# Altium PCB fMAX_MB.PcbDoc (part 1 of 13) (continued)
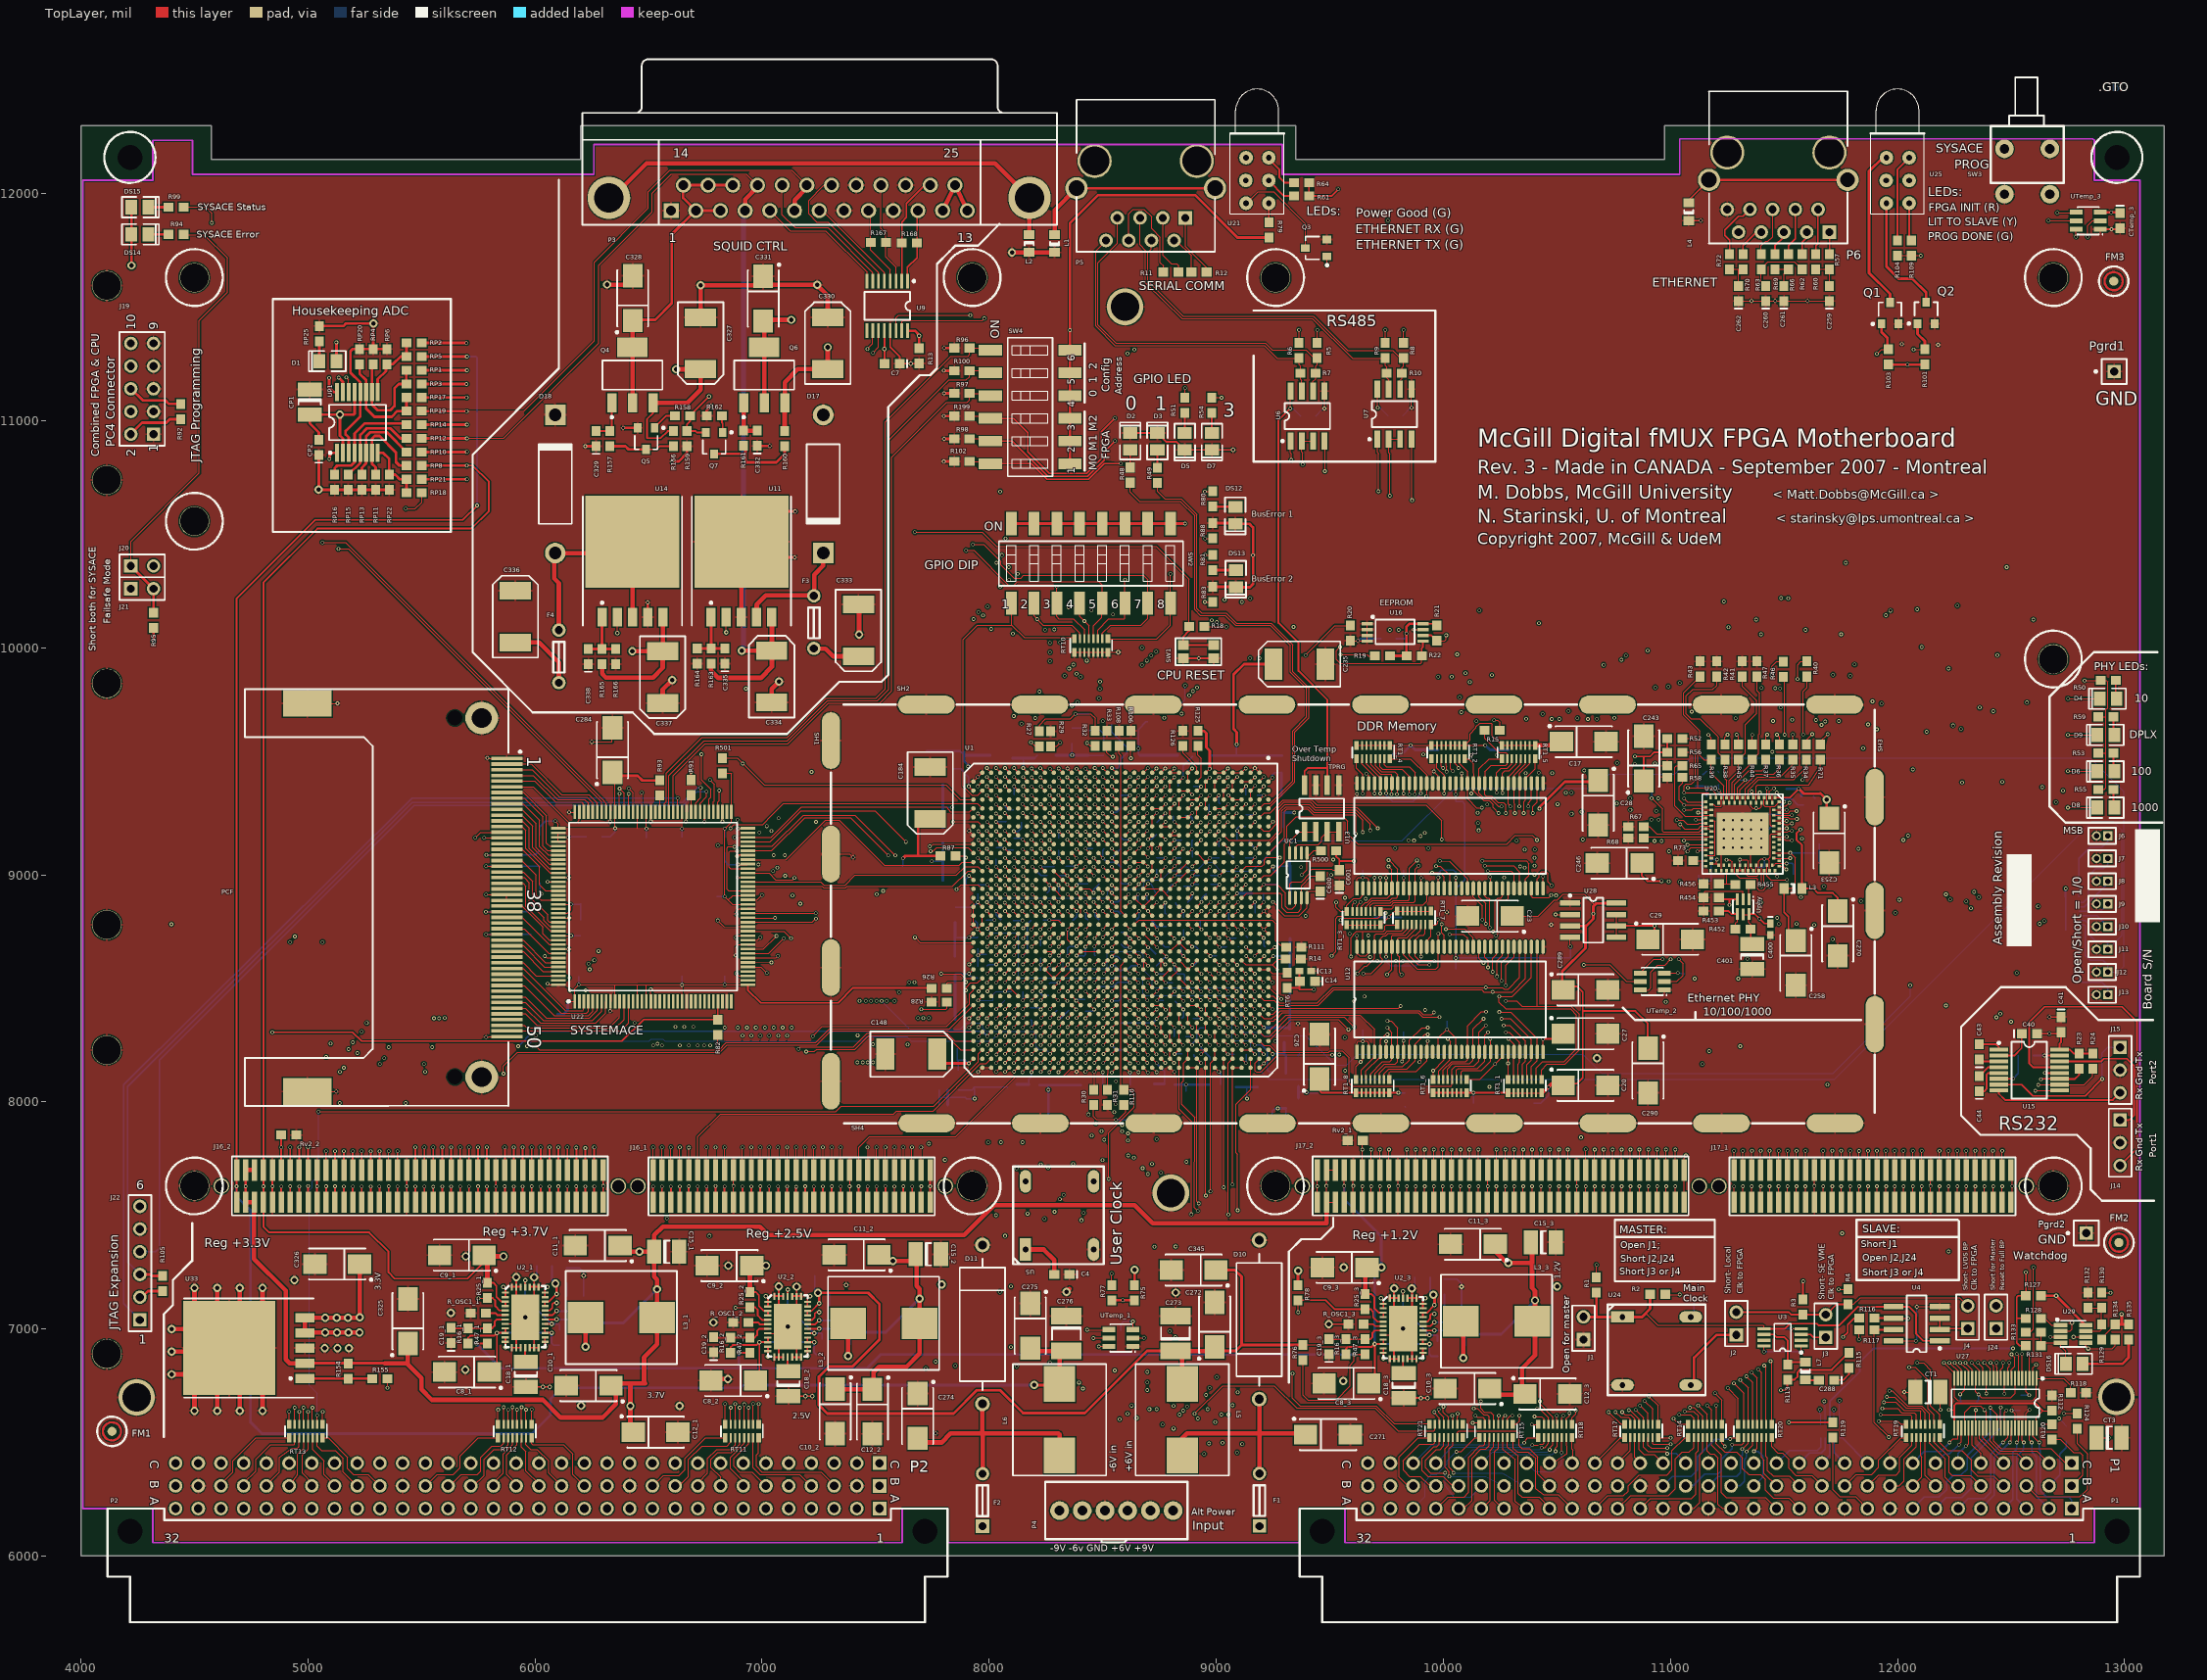
[diagram p0: TopLayer view]
## Classes and differential pairs
component class UserCLK: C4 U5
channel class TermperatureSens: TemperatureSens1 TemperatureSens2 TemperatureSens3
net class CS[1..3]: CS1 CS2 CS3
component class TemperatureSens3: CTemp_3 UTemp_3
component class TemperatureSens2: CTemp_2 UTemp_2
component class TemperatureSens1: CTemp_1 UTemp_1
net class BP_MASTER[0..5]: BP_MASTER0 BP_MASTER1 BP_MASTER2 BP_MASTER3 BP_MASTER4 BP_MASTER5
net class SYSACE_USB_D[0..15]: SYSACE_USB_D0 SYSACE_USB_D1 SYSACE_USB_D2 SYSACE_USB_D3 SYSACE_USB_D4 SYSACE_USB_D5 SYSACE_USB_D6 SYSACE_USB_D7 SYSACE_USB_D8 SYSACE_USB_D9 SYSACE_USB_D10 SYSACE_USB_D11 SYSACE_USB_D12 SYSACE_USB_D13 SYSACE_USB_D14 SYSACE_USB_D15
net class SYSACE_MPA[0..6]: SYSACE_MPA0 SYSACE_MPA1 SYSACE_MPA2 SYSACE_MPA3 SYSACE_MPA4 SYSACE_MPA5 SYSACE_MPA6
net class M2_DEMODB_S[0..1]: M2_DEMODB_S0 M2_DEMODB_S1
net class M2_DEMODB_DATA[0..14]: M2_DEMODB_DATA0 M2_DEMODB_DATA1 M2_DEMODB_DATA2 M2_DEMODB_DATA3 M2_DEMODB_DATA4 M2_DEMODB_DATA5 M2_DEMODB_DATA6 M2_DEMODB_DATA7 M2_DEMODB_DATA8 M2_DEMODB_DATA9 M2_DEMODB_DATA10 M2_DEMODB_DATA11 M2_DEMODB_DATA12 M2_DEMODB_DATA13 M2_DEMODB_DATA14
net class M2_DEMODA_S[0..1]: M2_DEMODA_S0 M2_DEMODA_S1
net class M2_DEMODA_DATA[0..14]: M2_DEMODA_DATA0 M2_DEMODA_DATA1 M2_DEMODA_DATA2 M2_DEMODA_DATA3 M2_DEMODA_DATA4 M2_DEMODA_DATA5 M2_DEMODA_DATA6 M2_DEMODA_DATA7 M2_DEMODA_DATA8 M2_DEMODA_DATA9 M2_DEMODA_DATA10 M2_DEMODA_DATA11 M2_DEMODA_DATA12 M2_DEMODA_DATA13 M2_DEMODA_DATA14
net class M2_COMB4_S[0..1]: M2_COMB4_S0 M2_COMB4_S1
net class M2_COMB4_DATA[0..15]: M2_COMB4_DATA0 M2_COMB4_DATA1 M2_COMB4_DATA2 M2_COMB4_DATA3 M2_COMB4_DATA4 M2_COMB4_DATA5 M2_COMB4_DATA6 M2_COMB4_DATA7 M2_COMB4_DATA8 M2_COMB4_DATA9 M2_COMB4_DATA10 M2_COMB4_DATA11 M2_COMB4_DATA12 M2_COMB4_DATA13 M2_COMB4_DATA14 M2_COMB4_DATA15
net class M2_COMB3_S[0..1]: M2_COMB3_S0 M2_COMB3_S1
net class M2_COMB3_DATA[0..15]: M2_COMB3_DATA0 M2_COMB3_DATA1 M2_COMB3_DATA2 M2_COMB3_DATA3 M2_COMB3_DATA4 M2_COMB3_DATA5 M2_COMB3_DATA6 M2_COMB3_DATA7 M2_COMB3_DATA8 M2_COMB3_DATA9 M2_COMB3_DATA10 M2_COMB3_DATA11 M2_COMB3_DATA12 M2_COMB3_DATA13 M2_COMB3_DATA14 M2_COMB3_DATA15
net class M2_COMB2_S[0..1]: M2_COMB2_S0 M2_COMB2_S1
net class M2_COMB2_DATA[0..15]: M2_COMB2_DATA0 M2_COMB2_DATA1 M2_COMB2_DATA2 M2_COMB2_DATA3 M2_COMB2_DATA4 M2_COMB2_DATA5 M2_COMB2_DATA6 M2_COMB2_DATA7 M2_COMB2_DATA8 M2_COMB2_DATA9 M2_COMB2_DATA10 M2_COMB2_DATA11 M2_COMB2_DATA12 M2_COMB2_DATA13 M2_COMB2_DATA14 M2_COMB2_DATA15
net class M2_COMB1_S[0..1]: M2_COMB1_S0 M2_COMB1_S1
net class M2_COMB1_DATA[0..15]: M2_COMB1_DATA0 M2_COMB1_DATA1 M2_COMB1_DATA2 M2_COMB1_DATA3 M2_COMB1_DATA4 M2_COMB1_DATA5 M2_COMB1_DATA6 M2_COMB1_DATA7 M2_COMB1_DATA8 M2_COMB1_DATA9 M2_COMB1_DATA10 M2_COMB1_DATA11 M2_COMB1_DATA12 M2_COMB1_DATA13 M2_COMB1_DATA14 M2_COMB1_DATA15
net class M2_CLOCK[1..2]: M2_CLOCK1 M2_CLOCK2 M2_CLOCK3
net class M2_AUX[0..4]: M2_AUX0 M2_AUX1 M2_AUX2 M2_AUX3 M2_AUX4
net class M1_DEMODB_S[0..1]: M1_DEMODB_S0 M1_DEMODB_S1
net class M1_DEMODB_DATA[0..14]: M1_DEMODB_DATA0 M1_DEMODB_DATA1 M1_DEMODB_DATA2 M1_DEMODB_DATA3 M1_DEMODB_DATA4 M1_DEMODB_DATA5 M1_DEMODB_DATA6 M1_DEMODB_DATA7 M1_DEMODB_DATA8 M1_DEMODB_DATA9 M1_DEMODB_DATA10 M1_DEMODB_DATA11 M1_DEMODB_DATA12 M1_DEMODB_DATA13 M1_DEMODB_DATA14
net class M1_DEMODA_S[0..1]: M1_DEMODA_S0 M1_DEMODA_S1
net class M1_DEMODA_DATA[0..14]: M1_DEMODA_DATA0 M1_DEMODA_DATA1 M1_DEMODA_DATA2 M1_DEMODA_DATA3 M1_DEMODA_DATA4 M1_DEMODA_DATA5 M1_DEMODA_DATA6 M1_DEMODA_DATA7 M1_DEMODA_DATA8 M1_DEMODA_DATA9 M1_DEMODA_DATA10 M1_DEMODA_DATA11 M1_DEMODA_DATA12 M1_DEMODA_DATA13 M1_DEMODA_DATA14
net class M1_COMB4_S[0..1]: M1_COMB4_S0 M1_COMB4_S1
net class M1_COMB4_DATA[0..15]: M1_COMB4_DATA0 M1_COMB4_DATA1 M1_COMB4_DATA2 M1_COMB4_DATA3 M1_COMB4_DATA4 M1_COMB4_DATA5 M1_COMB4_DATA6 M1_COMB4_DATA7 M1_COMB4_DATA8 M1_COMB4_DATA9 M1_COMB4_DATA10 M1_COMB4_DATA11 M1_COMB4_DATA12 M1_COMB4_DATA13 M1_COMB4_DATA14 M1_COMB4_DATA15
net class M1_COMB3_S[0..1]: M1_COMB3_S0 M1_COMB3_S1
net class M1_COMB3_DATA[0..15]: M1_COMB3_DATA0 M1_COMB3_DATA1 M1_COMB3_DATA2 M1_COMB3_DATA3 M1_COMB3_DATA4 M1_COMB3_DATA5 M1_COMB3_DATA6 M1_COMB3_DATA7 M1_COMB3_DATA8 M1_COMB3_DATA9 M1_COMB3_DATA10 M1_COMB3_DATA11 M1_COMB3_DATA12 M1_COMB3_DATA13 M1_COMB3_DATA14 M1_COMB3_DATA15
net class M1_COMB2_S[0..1]: M1_COMB2_S0 M1_COMB2_S1
net class M1_COMB2_DATA[0..15]: M1_COMB2_DATA0 M1_COMB2_DATA1 M1_COMB2_DATA2 M1_COMB2_DATA3 M1_COMB2_DATA4 M1_COMB2_DATA5 M1_COMB2_DATA6 M1_COMB2_DATA7 M1_COMB2_DATA8 M1_COMB2_DATA9 M1_COMB2_DATA10 M1_COMB2_DATA11 M1_COMB2_DATA12 M1_COMB2_DATA13 M1_COMB2_DATA14 M1_COMB2_DATA15
net class M1_COMB1_S[0..1]: M1_COMB1_S0 M1_COMB1_S1
net class M1_COMB1_DATA[0..15]: M1_COMB1_DATA0 M1_COMB1_DATA1 M1_COMB1_DATA2 M1_COMB1_DATA3 M1_COMB1_DATA4 M1_COMB1_DATA5 M1_COMB1_DATA6 M1_COMB1_DATA7 M1_COMB1_DATA8 M1_COMB1_DATA9 M1_COMB1_DATA10 M1_COMB1_DATA11 M1_COMB1_DATA12 M1_COMB1_DATA13 M1_COMB1_DATA14 M1_COMB1_DATA15
net class M1_CLOCK[1..2]: M1_CLOCK1 M1_CLOCK2 M1_CLOCK3
net class M1_AUX[0..4]: M1_AUX0 M1_AUX1 M1_AUX2 M1_AUX3 M1_AUX4
net class DDR_BA[0..1]: DDR_BA0 DDR_BA1
component class U_SQUID_Power: C327 C328 C329 C330 C331 C332 C333 C334 C335 C336 C337 C338 D17 D18 F3 F4 Q4 Q5 Q6 Q7 R156 R157 R158 R159 R160 R161 R162 R163 R164 R165 R166 U11 U14
component class U_SysACE_SysFLASH: C277 C278 C279 C280 C281 C282 C283 C284 C285 C286 C287 C600 C601 DS14 DS15 J19 J20 J21 J22 PCF Q1 Q2 R82 R84 R85 R86 R89 R90 R91 R92 R93 R94 R95 R96 R97 R98 R99 R100 R101 R102 R103 R104 R105 R106 R108 R109 R110 R111 R199 R500 SW3 SW4 TPRG U22 U25 UC1
component class U_Mezz2: J17_1 J17_2 Rv2_1
component class U_Mezz1: J16_1 J16_2 Rv2_2
component class "U_Eurocard VME 6U P2": P2 RT11 RT12 RT13
component class "U_Eurocard VME 6U P1": CT1 CT2 CT3 CT4 P1 R112 R118 R119 R120 R121 R124 RT14 RT15 RT16 RT17 RT18 RT19 RT20 RT21 U27
component class U_DDR-Memory: C17 C20 C23 C26 C27 C28 C29 C30 C31 C32 C33 C34 C35 C36 C37 C38 C39 C289 C290 U12 U13 U28
component class U_Comm_SQUID: C5 C6 C7 L1 L2 P3 P5 R5 R6 R7 R8 R9 R10 R11 R12 R13 R167 R168 R501 U6 U7 U9
component class U_Clock_distrubution: C1 C2 C3 C288 J1 J2 J3 J4 L7 R1 R2 R3 R4 R113 R115 R116 R117 U3 U4 U24
component class U_Banks_1_2: C40 C41 C43 C44 C45 J6 J7 J8 J9 J10 J11 J12 J13 J14 J15 R18 R23 R24 RT9 SW1 U1 U15
component class U_Power_Delivery: C271 C272 C273 C274 C275 C276 C345 D10 D11 F1 F2 L5 L6 P4 Pgnd1 Pgrd2 Q3 R75 R76 R77 R78 R79 U21
component class BuckRegulator1: C8_1 C9_1 C10_1 C11_1 C12_1 C15_1 C16_1 C18_1 C19_1 C21_1 C22_1 L3_1 R16_1 R25_1 R41_1 R42_1 R43_1 R47_1 R_ITH1_1 R_OSC1_1 U2_1
component class BuckRegulator2: C8_2 C9_2 C10_2 C11_2 C12_2 C15_2 C16_2 C18_2 C19_2 C21_2 C22_2 L3_2 R16_2 R25_2 R41_2 R42_2 R43_2 R47_2 R_ITH1_2 R_OSC1_2 U2_2
component class BuckRegulator3: C8_3 C9_3 C10_3 C11_3 C12_3 C15_3 C16_3 C18_3 C19_3 C21_3 C22_3 L3_3 R16_3 R25_3 R41_3 R42_3 R43_3 R47_3 R_ITH1_3 R_OSC1_3 U2_3
component class Liner_Pos_Regulator: C325 C326 R154 R155 U33
net class VOUT[1..3]: VOUT1 VOUT2 VOUT3
channel class Buck_regulator: BuckRegulator1 BuckRegulator2 BuckRegulator3
component class U_FPGA_Power: C46 C47 C48 C49 C50 C51 C52 C53 C54 C55 C56 C57 C58 C59 C60 C61 C62 C63 C64 C65 C66 C67 C68 C69 C70 C71 C72 C73 C74 C75 C76 C77 C78 C79 C80 C81 C82 C83 C84 C85 C86 C87 C88 C89 C90 C91 C92 C93 C94 C95 C96 C97 C98 C99 C100 C101 C102 C103 C104 C105 C106 C107 C108 C109 C110 C111 C112 C113 C114 C115 C116 C117 C118 C119 C120 C121 C122 C123 C124 C125 C126 C127 C128 C129 C130 C131 C132 C133 C134 C135 C136 C137 C138 C139 C140 C141 C142 C143 C144 C145 C146 C147 C148 C149 C150 C151 C152 C153 C154 C155 C156 C157 C158 C159 C160 C161 C162 C163 C164 C165 C166 C167 C168 C169 C170 C171 C172 C173 C174 C175 C176 C177 C178 C179 C180 C181 C182 C183 C184 C185 C186 C187 C188 C189 C190 C191 C192 C193 C194 C195 C196 C197 C198 C199 C200 C201 C202 C203 C204 C205 C206 C207 C208 C209 C210 C211 C212 C213 C214 C215 C216 C217 C218 C219 C220 C221 C222 C223 C224 C225 C226 C227 C228 C229 C230 C231 C232 C233 C234 C235
component class RTerm1: CRT1_1 RT1_1
component class RTerm2: CRT1_2 RT1_2
component class RTerm3: CRT1_3 RT1_3
component class RTerm4: CRT1_4 RT1_4
component class RTerm5: CRT1_5 RT1_5
component class RTerm6: CRT1_6 RT1_6
component class RTerm7: CRT1_7 RT1_7
component class RTerm8: CRT1_8 RT1_8
net class RA[1..8]: RA2 RA3 RA4 RA5 RA6 RA7 RA8
net class RB[1..8]: RB1 RB2 RB3 RB4 RB5 RB6 RB7 RB8
net class RC[1..8]: RC1 RC2 RC3 RC4 RC5 RC6 RC7 RC8
net class RD[1..8]: RD1 RD2 RD3 RD4 RD5 RD6 RD7 RD8
net class RE[1..8]: RE1 RE2 RE3 RE4 RE5 RE6 RE7 RE8
net class RF[1..8]: RF1 RF2 RF3 RF4 RF5 RF6 RF7 RF8
net class RG[1..8]: RG1 RG2 RG3 RG4 RG5 RG6 RG7 RG8
net class RH[1..8]: RH1 RH3 RH4 RH5 RH7 RH8
channel class RTerm: RTerm1 RTerm2 RTerm3 RTerm4 RTerm5 RTerm6 RTerm7 RTerm8
component class U_Banks_5_6: C13 C14 D2 D3 D5 D7 R14 R15 R34 R35 R36 R37 R38 R39 R40 R44 R45 R46 R48 R49 R51 R54 R71 RT6
component class U_Watchdog_Reset: DS16 J24 R127 R128 R129 R130 R131 R132 R133 R134 R135 U29
component class U_Banks_3_4: C42 R19 R20 R21 R22 U16
net class POWER_DATA[0..6]: POWER_DATA0 POWER_DATA1 POWER_DATA2 POWER_DATA4
component class U_Banks_11_12: R26 R27 R28 R29
component class U_Banks_13_14: R30 R31 R32 R33
net class M1_POWER_DATA[0..7]: M1_POWER_DATA0 M1_POWER_DATA1 M1_POWER_DATA2 M1_POWER_DATA3 M1_POWER_DATA4 M1_POWER_DATA5 M1_POWER_DATA6 M1_POWER_DATA7
net class M2_POWER_DATA[0..7]: M2_POWER_DATA0 M2_POWER_DATA1 M2_POWER_DATA2 M2_POWER_DATA3 M2_POWER_DATA4 M2_POWER_DATA5 M2_POWER_DATA6 M2_POWER_DATA7
component class U_Banks_7_8: DS12 DS13 R80 R81 R83 R87 R88 RT10 SW2
component class U_Banks_9_10: R122 R123 R125 R126
component class U_Housekeeping: CP1 CP2 D1 RP1 RP2 RP3 RP4 RP5 RP6 RP8 RP10 RP11 RP12 RP13 RP14 RP15 RP16 RP17 RP18 RP19 RP20 RP21 RP22 RP25 UP1
net class VME_A[1..23]: VME_A1 VME_A2 VME_A3 VME_A4 VME_A5 VME_A6 VME_A7 VME_A8 VME_A9 VME_A10 VME_A11 VME_A12 VME_A13 VME_A14 VME_A15 VME_A16 VME_A17 VME_A18 VME_A19 VME_A20 VME_A21 VME_A22 VME_A23
net class VME_AM[0..5]: VME_AM0 VME_AM1 VME_AM2 VME_AM3 VME_AM4 VME_AM5
net class VME_BGIN[0..3]: VME_BGIN0 VME_BGIN1 VME_BGIN2 VME_BGIN3
net class VME_BGOUT[0..3]: VME_BGOUT0 VME_BGOUT1 VME_BGOUT2 VME_BGOUT3
net class VME_BR[0..3]: VME_BR0 VME_BR1 VME_BR2 VME_BR3
net class VME_D[0..15]: VME_D0 VME_D1 VME_D2 VME_D3 VME_D4 VME_D5 VME_D6 VME_D7 VME_D8 VME_D9 VME_D10 VME_D11 VME_D12 VME_D13 VME_D14 VME_D15
net class VME_IRQ[1..7]: VME_IRQ1 VME_IRQ2 VME_IRQ3 VME_IRQ4 VME_IRQ5 VME_IRQ6 VME_IRQ7
net class VME_UD[0..17]: VME_UD0 VME_UD1 VME_UD2 VME_UD3 VME_UD4 VME_UD5 VME_UD6 VME_UD7 VME_UD8 VME_UD9 VME_UD10 VME_UD11 VME_UD12 VME_UD13 VME_UD14 VME_UD15 VME_UD16 VME_UD17 VME_UD18 VME_UD19
component class U_PHY_RJ45: C236 C237 C238 C239 C240 C241 C242 C243 C244 C245 C246 C247 C248 C249 C250 C251 C252 C253 C254 C255 C256 C257 C258 C259 C260 C261 C262 C265 C266 C267 C268 C269 C270 C400 C401 D4 D6 D8 D9 L3 L4 P6 R41 R42 R43 R47 R50 R52 R53 R55 R56 R57 R58 R59 R60 R61 R62 R63 R64 R65 R66 R67 R68 R69 R70 R72 R73 R452 R453 R454 R455 R456 U20 Uphy

## Components (designator, comment, footprint, x,y, rotation, side; value= is the part's Value field where it differs from the comment)
C1 "0.1uF" CC1608-0603 11138,7150 r0 bottom
C2 "0.1uF" CC1608-0603 11493.94,6962.88 r270 bottom
C3 "0.1uF" CC1608-0603 12083.94,7022.88 r270 bottom
C4 "0.1uF" CC1608-0603 8320,7240 r180 top
C5 "0.1uF" CC1608-0603 9404,11021 r0 bottom
C6 "0.1uF" CC1608-0603 9788,11023 r0 bottom
C7 "0.1uF" CC1608-0603 7572,11251 r180 top
C8_1 "100uF x 10V" TC6032-2412 5700,6810 r180 top (schematic designator C8)
C8_2 "100uF x 10V" TC6032-2412 6873,6773 r180 top (schematic designator C8)
C8_3 "100uF x 10V" TC6032-2412 9573,6760 r180 top (schematic designator C8)
C9_1 "100uF x 10V" TC6032-2412 5678,7325 r180 top (schematic designator C9)
C9_2 "100uF x 10V" TC6032-2412 6856.17,7278.93 r180 top (schematic designator C9)
C9_3 "100uF x 10V" TC6032-2412 9565.83,7270.93 r180 top (schematic designator C9)
C10_1 "100uF x 10V" TC6032-2412 6236,6750 r180 top (schematic designator C10)
C10_2 "100uF x 10V" TC6032-2412 7322,6637 r270 top (schematic designator C10)
C10_3 "100uF x 10V" TC6032-2412 10106,6738 r180 top (schematic designator C10)
C11_1 "100uF x 10V" TC6032-2412 6276,7367 r180 top (schematic designator C11)
C11_2 "100uF x 10V" TC6032-2412 7416,7326 r180 top (schematic designator C11)
C11_3 "100uF x 10V" TC6032-2412 10130,7373 r180 top (schematic designator C11)
C12_1 "100uF x 10V" TC6032-2412 6531,6546 r0 top (schematic designator C12)
C12_2 "100uF x 10V" TC6032-2412 7486,6636 r270 top (schematic designator C12)
C12_3 "100uF x 10V" TC6032-2412 10458,6714 r0 top (schematic designator C12)
C13 "47nF" CC1005-0402 9392,8576 r180 top
C14 "0.22uF" CC1608-0603 9401,8531 r180 top
C15_1 "10uF x 16V" CC3225-1210 6580,7340 r0 top (schematic designator C15)
C15_2 "10uF x 16V" CC3225-1210 7732,7329 r0 top (schematic designator C15)
C15_3 "10uF x 16V" CC3225-1210 10440,7382 r0 top (schematic designator C15)
C16_1 "1uF" CC1608-0603 6042,7276 r0 bottom (schematic designator C16)
C16_2 "1uF" CC1608-0603 7198.17,7234.93 r0 bottom (schematic designator C16)
C16_3 "1uF" CC1608-0603 9907.83,7226.93 r0 bottom (schematic designator C16)
C17 "100uF x 10V" TC6032-2412 10618,9586 r0 top
C18_1 "2.2uF" CC3225-1210 5960,6800 r90 top (schematic designator C18)
C18_2 "2.2uF" CC3225-1210 7116.17,6758.93 r90 top (schematic designator C18)
C18_3 "2.2uF" CC3225-1210 9825.83,6750.93 r90 top (schematic designator C18)
C19_1 "1nF" CC1608-0603 5631,6971 r90 top (schematic designator C19)
C19_2 "1nF" CC1608-0603 6787.17,6929.93 r90 top (schematic designator C19)
C19_3 "1nF" CC1608-0603 9496.83,6921.93 r90 top (schematic designator C19)
C20 "100uF x 10V" TC6032-2412 10626,8073 r0 top
C21_1 "2.2nF" CC1608-0603 6139,7235 r270 bottom (schematic designator C21)
C21_2 "2.2nF" CC1608-0603 7295.17,7193.93 r270 bottom (schematic designator C21)
C21_3 "2.2nF" CC1608-0603 10004.83,7185.93 r270 bottom (schematic designator C21)
C22_1 "47p" CC1608-0603 6214,7112 r270 bottom (schematic designator C22)
C22_2 "47p" CC1608-0603 7370.17,7070.93 r270 bottom (schematic designator C22)
C22_3 "47p" CC1608-0603 10079.83,7062.93 r270 bottom (schematic designator C22)
C23 "100uF x 10V" TC6032-2412 10205,8818 r180 top
C26 "100uF x 10V" TC6032-2412 9455,8199 r90 top
C27 "100uF x 10V" TC6032-2412 10626,8300 r0 top
C28 "100uF x 10V" TC6032-2412 10682,9317 r270 top
C29 "100uF x 10V" TC6032-2412 10999,8716 r0 top
C30 "0.1uF" CC1608-0603 10055,8551 r90 bottom
C31 "0.1uF" CC1608-0603 10055,9288 r90 bottom
C32 "0.1uF" CC1608-0603 9646,8350 r270 bottom
C33 "0.1uF" CC1608-0603 9824,8344 r270 bottom
C34 "0.1uF" CC1608-0603 10016,8390 r270 bottom
C35 "0.1uF" CC1608-0603 9858,8553 r90 bottom
C36 "0.1uF" CC1608-0603 9646,9055 r270 bottom
C37 "0.1uF" CC1608-0603 9824,9055 r270 bottom
C38 "0.1uF" CC1608-0603 10018,9055 r270 bottom
C39 "0.1uF" CC1608-0603 9824,9288 r90 bottom
C40 "0.1uF" CC1608-0603 12580,8300 r0 top
C41 "0.1uF" CC1608-0603 12720,8340 r270 top
C42 "0.1uF" CC1608-0603 9759,10040 r0 bottom
C43 "0.1uF" CC1608-0603 12360,8220 r90 top
C44 "0.1uF" CC1608-0603 12360,8080 r90 top
C45 "0.1uF" CC1608-0603 12565,8204 r0 bottom
C46 "47nF" CC1005-0402 8281,8997 r0 bottom
C47 "47nF" CC1005-0402 9131,9238 r270 bottom
C48 "47nF" CC1005-0402 8580,9140 r90 bottom
C49 "47nF" CC1005-0402 8460,8800 r180 bottom
C50 "47nF" CC1005-0402 8580,9320 r270 bottom
C51 "47nF" CC1005-0402 8107,9135 r270 bottom
C52 "47nF" CC1005-0402 8150,9539 r90 bottom
C53 "47nF" CC1005-0402 7774,9252 r180 bottom
C54 "47nF" CC1005-0402 8305,9135 r90 bottom
C55 "47nF" CC1005-0402 8482,9115 r0 bottom
C56 "47nF" CC1005-0402 8780,8800 r270 bottom
C57 "47nF" CC1005-0402 8848,8879 r180 bottom
C58 "47nF" CC1005-0402 9013,9099 r90 bottom
C59 "47nF" CC1005-0402 8871,9075 r0 bottom
C60 "47nF" CC1005-0402 8949,8959 r180 bottom
C61 "47nF" CC1005-0402 9183,8918 r180 bottom
C62 "47nF" CC1005-0402 8580,9460 r270 bottom
C63 "47nF" CC1005-0402 9119,9154 r180 bottom
C64 "47nF" CC1005-0402 9103,9074 r0 bottom
C65 "47nF" CC1005-0402 9268,8980 r270 bottom
C66 "47nF" CC1005-0402 9085,8800 r0 bottom
C67 "47nF" CC1005-0402 8181,8389 r90 bottom
C68 "47nF" CC1005-0402 8043,8445 r180 bottom
C69 "47nF" CC1005-0402 7950,8702 r90 bottom
C70 "47nF" CC1005-0402 8263,8494 r270 bottom
C71 "47nF" CC1005-0402 7950,8571 r270 bottom
C72 "47nF" CC1005-0402 8423,8426 r90 bottom
C73 "47nF" CC1005-0402 7890,8139 r180 bottom
C74 "47nF" CC1005-0402 8175,8052 r90 bottom
C75 "47nF" CC1005-0402 8124,8485 r180 bottom
C76 "47nF" CC1005-0402 7990,8623 r270 bottom
C77 "47nF" CC1005-0402 8580,8255 r270 bottom
C78 "47nF" CC1005-0402 8580,8500 r90 bottom
C79 "47nF" CC1005-0402 9029,8643 r180 bottom
C80 "47nF" CC1005-0402 9113,8722 r180 bottom
C81 "47nF" CC1005-0402 8955,8800 r180 bottom
C82 "47nF" CC1005-0402 9170,8805 r90 bottom
C83 "47nF" CC1005-0402 9248,8157 r90 bottom
C84 "47nF" CC1005-0402 9332,8165 r180 bottom
C85 "47nF" CC1005-0402 9332,8126 r180 bottom
C86 "47nF" CC1005-0402 8771,8054 r90 bottom
C87 "47nF" CC1005-0402 9190,8682 r0 bottom
C88 "0.22uF" CC1608-0603 7763,9346 r0 bottom
C89 "0.22uF" CC1608-0603 7763,9296 r0 bottom
C90 "0.22uF" CC1608-0603 7763,9208 r0 bottom
C91 "0.22uF" CC1608-0603 7816,8412 r0 bottom
C92 "0.22uF" CC1608-0603 7827,8235 r0 bottom
C93 "0.22uF" CC1608-0603 7827,8184 r0 bottom
C94 "0.22uF" CC1608-0603 9320,9449 r180 bottom
C95 "0.22uF" CC1608-0603 9319,9398 r180 bottom
C96 "0.22uF" CC1608-0603 9319,9348 r180 bottom
C97 "0.22uF" CC1608-0603 9359,8371 r180 bottom
C98 "0.22uF" CC1608-0603 9333,8262 r180 bottom
C99 "0.22uF" CC1608-0603 9333,8211 r180 bottom
C100 "0.22uF" CC1608-0603 8102,9547 r270 bottom
C101 "0.22uF" CC1608-0603 7763,9396 r0 bottom
C102 "0.22uF" CC1608-0603 7816,8790 r0 bottom
C103 "0.22uF" CC1608-0603 8538,9696 r270 bottom
C104 "0.22uF" CC1608-0603 9330,9206 r180 bottom
C105 "0.22uF" CC1608-0603 9357,9108 r180 bottom
C106 "0.22uF" CC1608-0603 7816,8362 r0 bottom
C107 "0.22uF" CC1608-0603 9358,8437 r180 bottom
C108 "0.22uF" CC1608-0603 8130,8044 r90 bottom
C109 "0.22uF" CC1608-0603 8727,8046 r90 bottom
C110 "0.22uF" CC1608-0603 9358,8487 r180 bottom
C111 "0.22uF" CC1608-0603 9357,8320 r180 bottom
C112 "47nF" CC1005-0402 8340,8800 r180 bottom
C113 "47nF" CC1005-0402 7924,8917 r180 bottom
C114 "47nF" CC1005-0402 8211,8800 r0 bottom
C115 "47nF" CC1005-0402 7925,8957 r0 bottom
C116 "47nF" CC1005-0402 8029,9095 r90 bottom
C117 "47nF" CC1005-0402 8581,8606 r270 bottom
C118 "47nF" CC1005-0402 8993,9311 r180 bottom
C119 "47nF" CC1005-0402 8872,9154 r0 bottom
C120 "47nF" CC1005-0402 8738,9204 r270 bottom
C121 "47nF" CC1005-0402 8736,8623 r90 bottom
C122 "47nF" CC1005-0402 9155,9351 r180 bottom
C123 "47nF" CC1005-0402 8737,9050 r270 bottom
C124 "47nF" CC1005-0402 8805,8564 r180 bottom
C125 "47nF" CC1005-0402 8794,8445 r180 bottom
C126 "47nF" CC1005-0402 8872,8367 r0 bottom
C127 "47nF" CC1005-0402 9106,8210 r0 bottom
C128 "47nF" CC1005-0402 8839,8288 r180 bottom
C129 "47nF" CC1005-0402 8875.28,8210 r180 bottom
C130 "0.68uF" CC3216-1206 9380,9041 r180 bottom
C131 "0.68uF" CC3216-1206 9380,8960 r180 bottom
C132 "0.68uF" CC3216-1206 9380,8877 r180 bottom
C133 "0.68uF" CC3216-1206 9380,8720 r180 bottom
C134 "0.68uF" CC3216-1206 9380,8638 r180 bottom
C135 "0.68uF" CC3216-1206 7742,9059 r0 bottom
C136 "0.68uF" CC3216-1206 7742,8974 r0 bottom
C137 "0.68uF" CC3216-1206 7795,8723 r0 bottom
C138 "0.68uF" CC3216-1206 7795,8641 r0 bottom
C139 "0.68uF" CC3216-1206 7795,8560 r0 bottom
C140 "2.2uF" CC3216-1206 8213,9582 r270 bottom
C141 "2.2uF" CC3216-1206 8792,9806 r270 bottom
C142 "2.2uF" CC3216-1206 8605,9617 r270 bottom
C143 "2.2uF" CC3216-1206 8620,8019 r90 bottom
C144 "2.2uF" CC3216-1206 9352,9274 r180 bottom
C145 "2.2uF" CC3216-1206 9380,8554 r180 bottom
C146 "2.2uF" CC3216-1206 7741,9141 r0 bottom
C147 "2.2uF" CC3216-1206 7795,8478 r0 bottom
C148 "330uF x 10V" CC7343-31_Dsize 7657,8210 r180 top
C149 "0.22uF" CC1608-0603 8680,8800 r180 bottom
C150 "0.22uF" CC1608-0603 7617,9003 r90 bottom
C151 "0.22uF" CC1608-0603 8580,9000 r270 bottom
C152 "0.22uF" CC1608-0603 9020,8042 r90 bottom
C153 "0.22uF" CC1608-0603 9328,8068 r0 bottom
C154 "0.22uF" CC1608-0603 9328,8017 r0 bottom
C155 "0.22uF" CC1608-0603 8108,9232 r0 bottom
C156 "0.22uF" CC1608-0603 8108,9319 r270 bottom
C157 "0.22uF" CC1608-0603 8866,9390 r180 bottom
C158 "47nF" CC1005-0402 8680,8880 r0 bottom
C159 "47nF" CC1005-0402 8325,8403 r0 bottom
C160 "47nF" CC1005-0402 7817,7961 r270 bottom
C161 "47nF" CC1005-0402 8820,8682 r0 bottom
C162 "47nF" CC1005-0402 8855,8785 r90 bottom
C163 "47nF" CC1005-0402 9071,8684 r0 bottom
C164 "47nF" CC1005-0402 8921,8647 r90 bottom
C165 "47nF" CC1005-0402 9331,7892 r0 bottom
C166 "47nF" CC1005-0402 9332,7971 r0 bottom
C167 "47nF" CC1005-0402 8867,8021 r270 bottom
C168 "47nF" CC1005-0402 8835,8525 r0 bottom
C169 "0.68uF" CC3216-1206 8437,9765 r270 bottom
C170 "0.68uF" CC3216-1206 8500,8020 r90 bottom
C171 "47nF" CC1005-0402 9332,7931 r0 bottom
C172 "0.68uF" CC3216-1206 9447,8094 r270 bottom
C173 "0.68uF" CC3216-1206 7786,9466 r0 bottom
C174 "2.2uF" CC3216-1206 8897,9578 r270 bottom
C175 "47nF" CC1005-0402 8343,8700 r270 bottom
C176 "2.2uF" CC3216-1206 8782,7915 r180 bottom
C177 "2.2uF" CC3216-1206 7795,8856 r0 bottom
C178 "47nF" CC1005-0402 8250,8578 r180 bottom
C179 "47nF" CC1005-0402 8982,8918 r0 bottom
C180 "47nF" CC1005-0402 8857,8976 r270 bottom
C181 "47nF" CC1005-0402 7779,7961 r270 bottom
C182 "47nF" CC1005-0402 8226,8661 r270 bottom
C183 "47nF" CC1005-0402 8736,9552 r90 bottom
C184 "330uF x 10V" CC7343-31_Dsize 7740,9360 r90 top
C185 "47nF" CC1005-0402 7817,8078 r270 bottom
C186 "47nF" CC1005-0402 8082,8040 r90 bottom
C187 "47nF" CC1005-0402 7962,8799 r0 bottom
C188 "47nF" CC1005-0402 8443,8642 r180 bottom
C189 "47nF" CC1005-0402 8581,8368 r270 bottom
C190 "47nF" CC1005-0402 8580,8720 r270 bottom
C191 "47nF" CC1005-0402 7811,9570 r270 bottom
C192 "47nF" CC1005-0402 9247,7905 r90 bottom
C193 "47nF" CC1005-0402 8280,8920 r180 bottom
C194 "47nF" CC1005-0402 8312,9037 r0 bottom
C195 "47nF" CC1005-0402 8460,8960 r180 bottom
C196 "47nF" CC1005-0402 8950,8998 r180 bottom
C197 "47nF" CC1005-0402 9150,9550 r270 bottom
C198 "47nF" CC1005-0402 7779,8078 r270 bottom
C199 "47nF" CC1005-0402 8758,8919 r180 bottom
C200 "47nF" CC1005-0402 7772,9570 r270 bottom
C201 "47nF" CC1005-0402 8080,8800 r0 bottom
C202 "47nF" CC1005-0402 8836,9260 r0 bottom
C203 "47nF" CC1005-0402 8980,9551 r270 bottom
C204 "0.22uF" CC1608-0603 7938,9550 r270 bottom
C205 "0.22uF" CC1608-0603 8504,9558 r270 bottom
C206 "0.22uF" CC1608-0603 7726,9578 r270 bottom
C207 "0.22uF" CC1608-0603 8365,9612 r270 bottom
C208 "0.22uF" CC1608-0603 8692,9560 r270 bottom
C209 "0.22uF" CC1608-0603 8780,9560 r270 bottom
C210 "0.22uF" CC1608-0603 8830,9560 r270 bottom
C211 "0.22uF" CC1608-0603 9024,9559 r270 bottom
C212 "0.22uF" CC1608-0603 8580,8860 r270 bottom
C213 "0.22uF" CC1608-0603 7864,8019 r90 bottom
C214 "0.22uF" CC1608-0603 8222,8040 r90 bottom
C215 "0.22uF" CC1608-0603 8300,8040 r90 bottom
C216 "0.22uF" CC1608-0603 8352,8040 r90 bottom
C217 "0.22uF" CC1608-0603 8402,8040 r90 bottom
C218 "0.22uF" CC1608-0603 8817,8042 r90 bottom
C219 "0.22uF" CC1608-0603 8917,8042 r90 bottom
C220 "0.22uF" CC1608-0603 8967,8042 r90 bottom
C221 "0.68uF" CC3216-1206 7871,9600 r270 bottom
C222 "0.68uF" CC3216-1206 8004,9582 r270 bottom
C223 "0.68uF" CC3216-1206 9090,9580 r270 bottom
C224 "0.68uF" CC3216-1206 9210,9580 r270 bottom
C225 "0.68uF" CC3216-1206 7936,8010 r90 bottom
C226 "0.68uF" CC3216-1206 8020,8010 r90 bottom
C227 "0.68uF" CC3216-1206 9088,8010 r90 bottom
C228 "0.68uF" CC3216-1206 9182,8010 r90 bottom
C229 "2.2uF" CC3216-1206 8294,9581 r270 bottom
C230 "2.2uF" CC3216-1206 8438,9580 r270 bottom
C231 "2.2uF" CC3216-1206 8698,9729 r270 bottom
C232 "2.2uF" CC3216-1206 8261,7872 r90 bottom
C233 "2.2uF" CC3216-1206 9344,9525 r180 bottom
C234 "2.2uF" CC3216-1206 8343,7872 r90 bottom
C235 "330uF x 10V" CC7343-31_Dsize 9366,9928 r0 top
C236 "0.01uF" CC1005-0402 11567,8999 r180 bottom
C237 "0.01uF" CC1005-0402 11306,9005 r90 bottom
C238 "0.1uF" CC1608-0603 11180,8940 r90 bottom
C239 "1nF" CC1005-0402 11613,9308 r180 bottom
C240 "0.01uF" CC1005-0402 11134,9345 r0 bottom
C241 "0.1uF" CC1608-0603 11431,9233 r90 bottom
C242 "0.1uF" CC1608-0603 11159,9424 r270 bottom
C243 "10uF x 25V" TC6032-2412 10882,9512 r90 top
C244 "1nF" CC1005-0402 11213,9424 r270 bottom
C245 "0.01uF" CC1005-0402 11100,9000 r0 bottom
C246 "10uF x 25V" TC6032-2412 10776,9051 r180 top
C247 "1nF" CC1005-0402 11511,9407 r270 bottom
C248 "1nF" CC1005-0402 11300,9442 r270 bottom
C249 "0.01uF" CC1005-0402 11414,9008 r90 bottom
C250 "0.01uF" CC1005-0402 11373,9008 r90 bottom
C251 "0.01uF" CC1005-0402 11602,9346 r180 bottom
C252 "0.1uF" CC1608-0603 11361,9451 r270 bottom
C253 "10uF x 25V" TC6032-2412 11699,9151 r270 top
C254 "1nF" CC1005-0402 11681,9047 r180 bottom
C255 "0.01uF" CC1005-0402 11681,9138 r180 bottom
C256 "0.1uF" CC1608-0603 10884,9374 r0 bottom
C257 "0.1uF" CC1608-0603 11673,9093 r180 bottom
C258 "10uF x 25V" TC6032-2412 11552,8612 r270 top
C259 "0.01uF" CC1608-0603 11700,11560 r90 top
C260 "0.01uF" CC1608-0603 11420,11560 r90 top
C261 "0.01uF" CC1608-0603 11500,11560 r90 top
C262 "0.01uF" CC1608-0603 11300,11560 r90 top
C265 "1nF" CC1005-0402 11484,9241 r90 bottom
C266 "0.01uF" CC1005-0402 11110,9416 r270 bottom
C267 "0.1uF" CC1608-0603 11258,9317 r90 bottom
C268 "0.01uF" CC1005-0402 11567,9045 r180 bottom
C269 "0.1uF" CC1608-0603 11180,9137 r270 bottom
C270 "10uF x 25V" TC6032-2412 11736,8742 r270 top
C271 "100uF x 10V" TC6032-2412 9492,6535 r0 top
C272 "100uF x 10V" TC6032-2412 8993,7019 r90 top
C273 "33uF x 16V" CC4532-1812 8820,6980 r90 top
C274 "100uF x 10V" TC6032-2412 7685,6617 r270 top
C275 "100uF x 10V" TC6032-2412 8181,7014 r270 top
C276 "33uF x 16V" CC4532-1812 8340,6980 r270 top
C277 "0.1uF" CC1608-0603 6260,9168 r0 bottom
C278 "0.1uF" CC1608-0603 6834,9132 r90 bottom
C279 "0.1uF" CC1608-0603 6100,8420 r270 bottom
C280 "0.1uF" CC1608-0603 6834,8589 r270 bottom
C281 "0.1uF" CC1608-0603 6801,8870 r90 bottom
C282 "0.1uF" CC1608-0603 6491,9130 r90 bottom
C283 "0.1uF" CC1608-0603 6192,8585 r270 bottom
C284 "10uF x 25V" TC6032-2412 6341,9549 r90 top
C285 "0.1uF" CC1608-0603 6235,8873 r180 bottom
C286 "0.1uF" CC1608-0603 6648,8589 r270 bottom
C287 "0.1uF" CC1608-0603 6648,9131 r90 bottom
C288 "DNL" CC1608-0603 11687,6774 r180 top
C289 "100uF x 10V" TC6032-2412 10626,8493 r0 top
C290 "100uF x 10V" TC6032-2412 10901,8138 r270 top
C325 "100uF x 10V" TC6032-2412 5440,7034 r90 top
C326 "100uF x 10V" TC6032-2412 5129,7286 r180 top
C327 "100uF x 16V" CC7343-31_Dsize 6729.13,11340.76 r90 top
C328 "100uF x 10V" TC6032-2412 6430,11539 r90 top
C329 "0.1uF" CC1608-0603 6269.13,10920.76 r90 top
C330 "100uF x 16V" CC7343-31_Dsize 7289.13,11340.76 r270 top
C331 "100uF x 10V" TC6032-2412 7005,11537 r270 top
C332 "0.1uF" CC1608-0603 6979.06,10921.94 r90 top
C333 "100uF x 16V" CC7343-31_Dsize 7424,10076 r90 top
C334 "100uF x 16V" CC7343-31_Dsize 7042.06,9872.94 r270 top
C335 "0.1uF" CC1608-0603 6836.06,9962.94 r90 top
C336 "100uF x 16V" CC7343-31_Dsize 5913.06,10136.94 r270 top
C337 "100uF x 16V" CC7343-31_Dsize 6562.06,9869.94 r90 top
C338 "0.1uF" CC1608-0603 6235.13,9960.76 r90 top
C345 "100uF x 10V" TC6032-2412 8900,7260 r180 top
C400 "47nF" CC1005-0402 11440,8760 r270 top
C401 "2.2uF" CC3225-1210 11360,8640 r270 top
C600 "2200pF" CC1608-0603 9458,8961 r90 top
C601 "0.1uF" CC1608-0603 9542,8987 r90 top
CP1 "10uF x 16V" CC3225-1210 5007.88,11081.88 r270 top
CP2 "0.1uF" CC1608-0603 5047.88,10881.88 r90 top
CRT1_1 "0.1uF" CC1608-0603 10364,7993 r0 bottom (schematic designator CRT1)
CRT1_2 "0.1uF" CC1608-0603 10010,9550 r180 bottom (schematic designator CRT1)
CRT1_3 "0.1uF" CC1608-0603 9664,8812 r0 bottom (schematic designator CRT1)
CRT1_4 "0.1uF" CC1608-0603 9746,9531 r0 bottom (schematic designator CRT1)
CRT1_5 "0.1uF" CC1608-0603 10320,9550 r180 bottom (schematic designator CRT1)
CRT1_6 "0.1uF" CC1608-0603 10168,7992 r180 bottom (schematic designator CRT1)
CRT1_7 "0.1uF" CC1608-0603 9850,8812 r180 bottom (schematic designator CRT1)
CRT1_8 "0.1uF" CC1608-0603 9835,8010 r90 bottom (schematic designator CRT1)
CT1 "10uF x 16V" CC3225-1210 12134,6722.27 r180 top
CT2 "0.1uF" CC1608-0603 12541,6674.75 r90 bottom
CT3 "10uF x 16V" CC3225-1210 12932,6521 r0 top
CT4 "0.1uF" CC1608-0603 12314,6678 r180 bottom
CTemp_1 "0.1uF" CC1608-0603 8580,6960 r270 bottom (schematic designator CTemp)
CTemp_2 "0.1uF" CC1608-0603 11063,8529 r270 bottom (schematic designator CTemp)
CTemp_3 "0.1uF" CC1608-0603 12980,11880 r270 top (schematic designator CTemp)
D1 "LED0805, YEL" "SMD _LED" 5087.88,11261.88 r0 top
D2 "LED0805, GRN" "SMD _LED" 8620.79,10908.32 r270 top
D3 "LED0805, GRN" "SMD _LED" 8740.79,10908.32 r270 top
D4 "LED0805, GRN" "SMD _LED" 12927.32,9775.78 r0 top
D5 "LED0805, GRN" "SMD _LED" 8860.79,10908.32 r90 top
D6 "LED0805, GRN" "SMD _LED" 12917.32,9455.78 r0 top
D7 "LED0805, GRN" "SMD _LED" 8980.79,10908.32 r90 top
D8 "LED0805, GRN" "SMD _LED" 12917.32,9295.78 r0 top
D9 "LED0805, GRN" "SMD _LED" 12917.32,9615.78 r0 top
D10 "Zener, 1N5344BRL" DIODE-0.7 9189,7041 r270 top
D11 "Zener, 1N5344BRL" DIODE-0.7 7970,7020 r90 top
D17 "Zener, 1N5350BRLG" A-500 7269.13,10720.76 r270 top
D18 "Zener, 1N5350BRLG" A-500 6089.13,10720.76 r90 top
DS12 "LED0805, RED" "SMD _LED" 9084,10583 r90 top
DS13 "LED0805, RED" "SMD _LED" 9086,10304 r90 top
DS14 "LED0805, RED" "SMD _LED" 4260,11820 r180 top
DS15 "LED0805, GRN" "SMD _LED" 4260,11940 r180 top
DS16 "LED0805, RED" "SMD _LED" 12778.32,6846.06 r0 top
F1 "FUSE, RGE400, 4A, 0.039ohm" "Fuse 5.88mm"#1 9190,6132 r90 top
F2 "FUSE, RGE400, 4A, 0.039ohm" "Fuse 5.88mm"#1 7971,6131 r90 top
F3 "FUSE, RXE040, 0.4A, 0.86ohm" "Fuse 5.88mm"#2 7228,9997 r90 top
F4 "FUSE, RXE040, 0.4A, 0.86ohm" "Fuse 5.88mm"#2 6105,9846 r90 top
FM1 "Comment" Fiducial_mark 4137,6549 r0 top
FM2 "Comment" Fiducial_mark 12975,7380 r0 top
FM3 "Comment" Fiducial_mark 12952,11614 r0 top
J1 "Header 2" HDR1X2 10617,6953 r90 top
J2 "Header 2" HDR1X2 11290,6974 r90 top
J3 "Header 2" HDR1X2 11683.94,6962.88 r90 top
J4 "Header 2" HDR1X2 12309,7002 r90 top
J6 "SN" MHDR1X2 12926.06,9171.77 r180 top
J7 "SN" MHDR1X2 12926.06,9071.77 r180 top
J8 "SN" MHDR1X2 12926.06,8971.77 r180 top
J9 "SN" MHDR1X2 12926.06,8871.77 r180 top
J10 "SN" MHDR1X2 12926.06,8771.77 r180 top
J11 "SN" MHDR1X2 12926.06,8671.77 r180 top
J12 "SN" MHDR1X2 12926.06,8571.77 r180 top
J13 "SN" MHDR1X2 12926.06,8471.77 r180 top
J14 "Header 3" HDR1X3 12980,7920 r270 top
J15 "Header 3" HDR1X3 12980,8240 r270 top
J16_1 "CONN, 120603-1 IEEE1386 64pin Receptacle" 120603-1 7740,7700 r270 top
J16_2 "CONN, 120603-2 IEEE1386 84pin Receptacle" 120603-2 6300,7700 r270 top
J17_1 "CONN, 120603-1 IEEE1386 64pin Receptacle" 120603-1 12500,7700 r270 top
J17_2 "CONN, 120603-2 IEEE1386 84pin Receptacle" 120603-2 11060,7700 r270 top
J19 "Header 5X2" HDR2X5 4320,10940 r90 top
J20 "Header 2" HDR1X2 4220,10360 r0 top
J21 "Header 2" HDR1X2 4220,10260 r0 top
J22 "Header 6" HDR1X6 4260,7040 r90 top
J24 "Header 2" HDR1X2 12434,7002 r90 top
L1 "Ferrite bead" INDC2012-0805 8288,11780 r90 top
L2 "Ferrite bead" INDC2012-0805 8176,11780 r270 top
L3 "Ferrite bead" INDC2012-0805 11540,8940 r180 top
L3_1 "1.2 uH, 2.38 mOhm, 20A, MLC1255-122ML" MLC_inductor 6380,7050 r0 top (schematic designator L3)
L3_2 "1.2 uH, 2.38 mOhm, 20A, MLC1255-122ML" MLC_inductor 7535,7025 r0 top (schematic designator L3)
L3_3 "1.2 uH, 2.38 mOhm, 20A, MLC1255-122ML" MLC_inductor 10234,7034 r0 top (schematic designator L3)
L4 "Ferrite bead" INDC2012-0805 11080,11920 r90 top
L5 "2.7uH, 15A PM12645S-2R7M" MLC_inductor 8850,6600 r90 top
L6 "2.7uH, 15A PM12645S-2R7M" MLC_inductor 8310,6600 r90 top
L7 "DNL" INDC2012-0805 11595,6815 r90 top
P1 "CONN, DIN R/A 96pin 650473-5" CNVME96 12767,6209 r0 top locked
P2 "CONN, DIN R/A 96pin 650473-5" CNVME96 7517,6209 r0 top locked
P3 "CONN, DB25f R/A, 0.318\"" DSUB1.385-2H25A 7251.47,12354.84 r0 top
P4 "CONN, Power Term, Phoenix 1725698" TrmBlk6 8310,6200 r0 top
P5 "CONN RJ_45, Molex 432028925" RJ45 8594.38,12123.16 r180 top
P6 "HFJ11-1G01E" HALO_RJ45 11380,12160 r180 top
PCF "CONN, Compact Flash, AVX315610050500871" CF_AVX5611 4840,8900 r270 top
Pgrd1 "GND" PIN1 12954,11216 r90 top
Pgrd2 "GND" PIN1 12831,7422 r90 top
Q1 "IC, MMBT3904" SOT23 11967,11473 r0 top
Q2 "IC, MMBT3904" SOT23 12126,11474 r0 top
Q3 "IC, MMBT3904" SOT23 9440,11760 r90 top
Q4 "IC, ZXMP4A16G" SOT223 6429.13,11200.76 r0 top
Q5 "IC, MMBT3904" SOT23 6489.13,10920.76 r180 top
Q6 "IC, NDT451AN" SOT223 7009.13,11200.76 r0 top
Q7 "IC, MMBT3906" SOT23 6789.13,10900.76 r180 top
R1 "10K" CR1608-0603 10673.94,7192.88 r90 top
R2 "681" CR1608-0603 10943.94,7152.88 r180 top
R3 "20R0" CR1608-0603 11584,7097 r90 top
R4 "20R0" CR1608-0603 11782,7142 r90 top